# Altium PCB XTIDA-010086.PcbDoc (part 12 of 17) (continued)
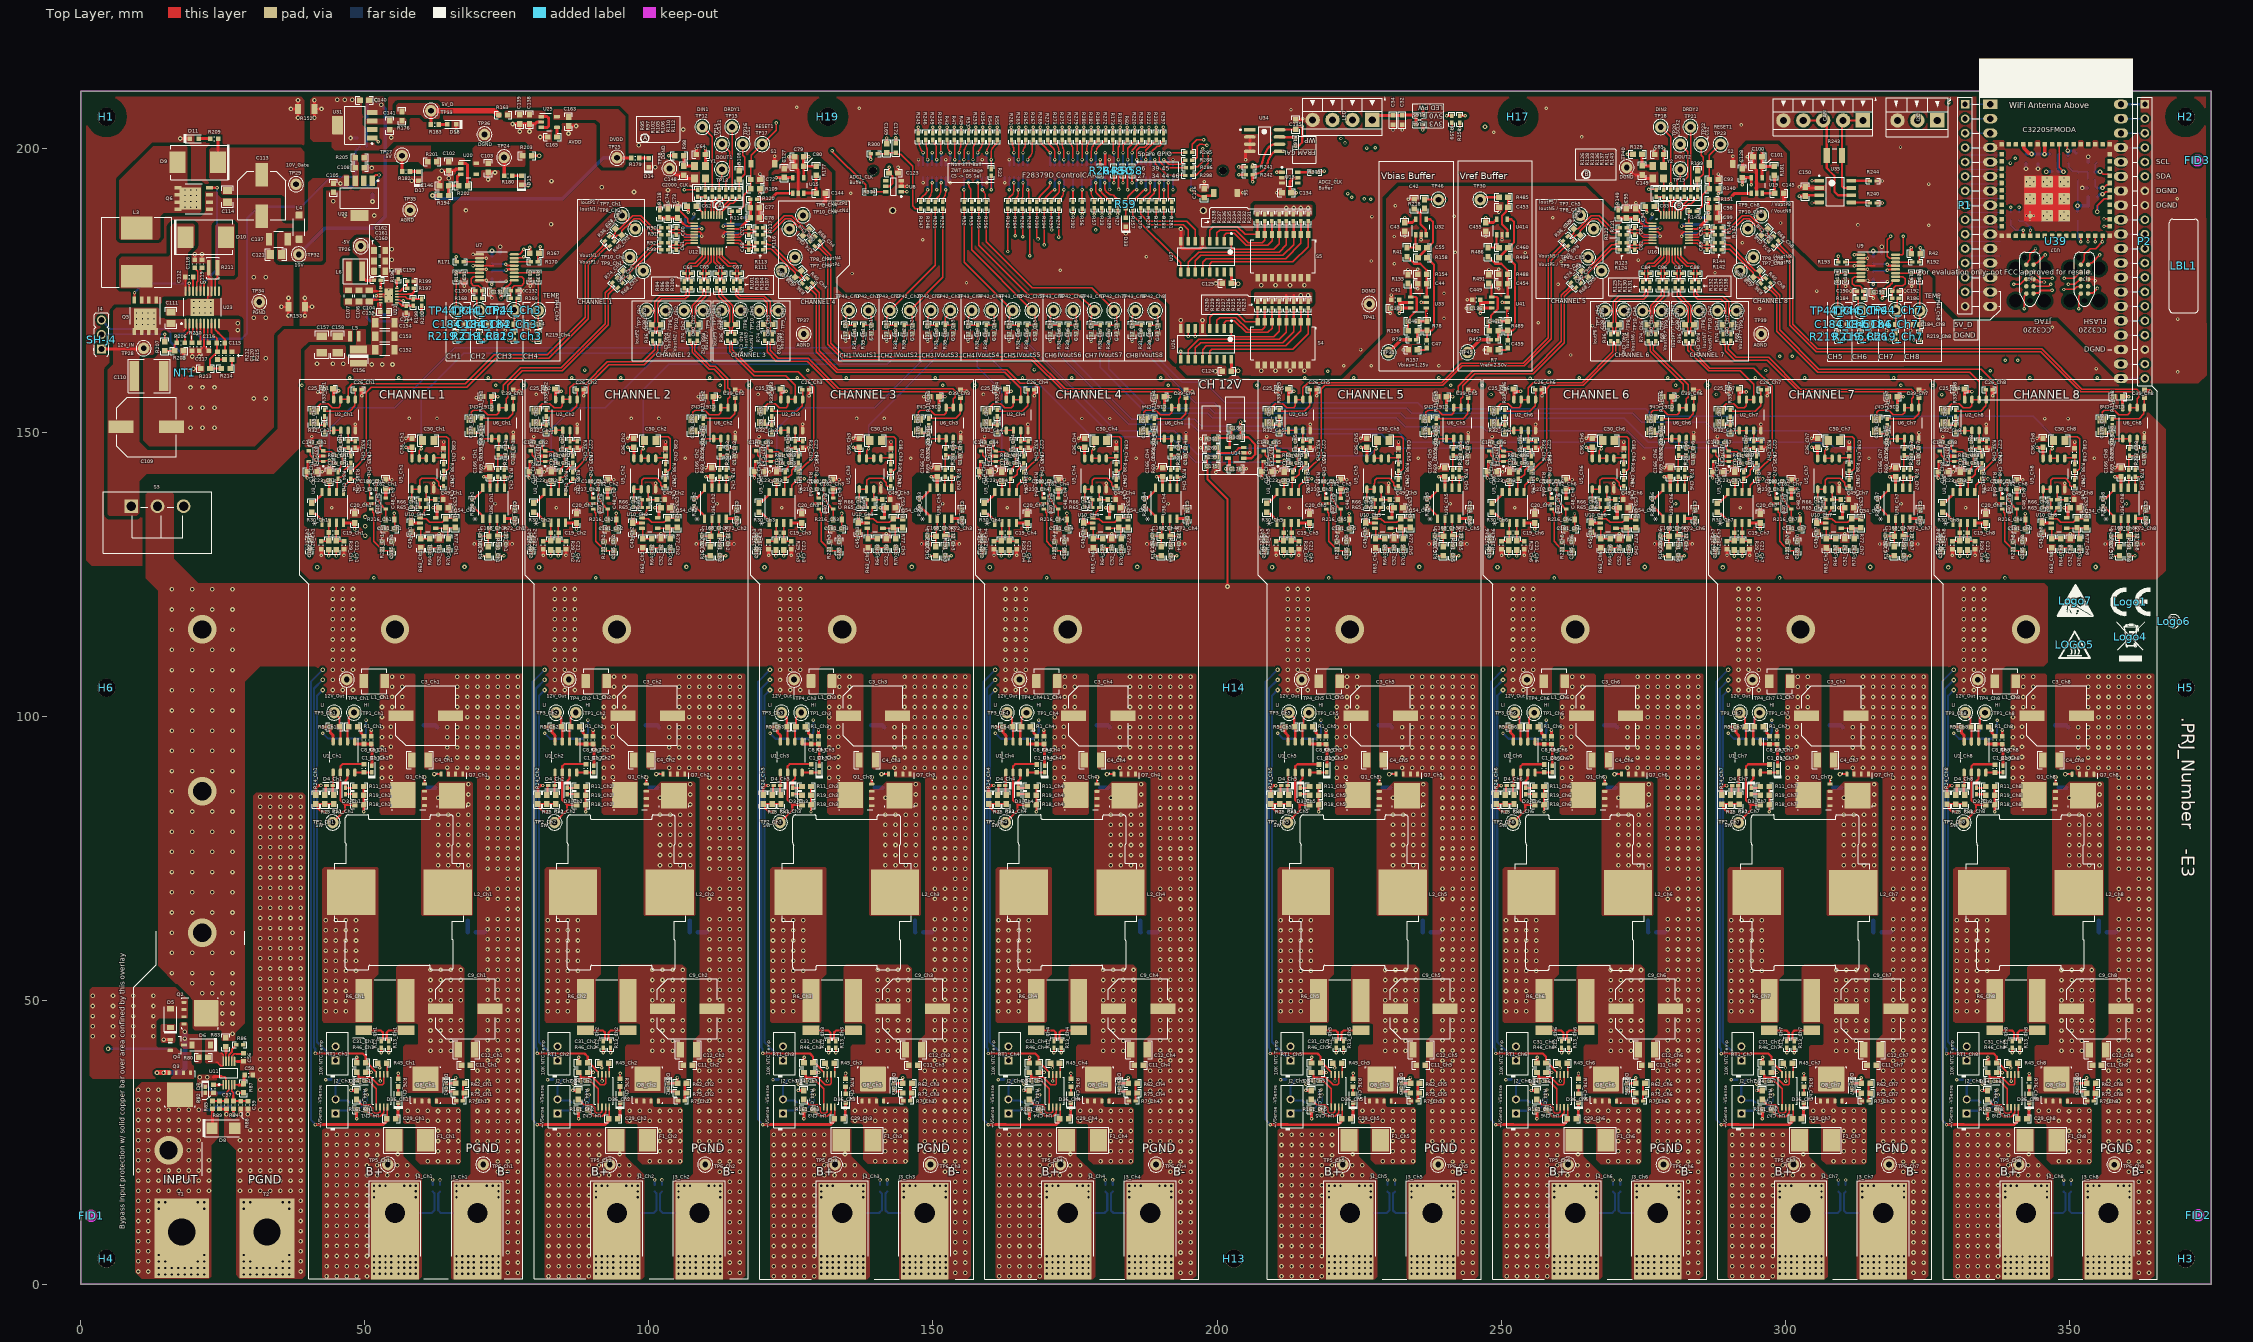
[diagram p0: Top Layer view]
## Nets (pads, with @x,y where several pads share a name; then routed paths per layer and width w, separated by ;. In a path a pad name is that pad's centre, name@x,y a point inside that pad or via, vN(x,y) a via of type N, cw(c..) or ccw(c..) an arc to the next point about the centre after c; other vN are vias at no path point) (continued)
  other v3: 219.702,1.846 220.718,1.846 221.734,1.846 222.75,1.846 224.02,1.846 225.036,1.846 226.052,1.846 227.068,1.846 219.702,2.862 220.718,2.862 221.734,2.862 222.75,2.862 224.02,2.862 225.036,2.862 226.052,2.862 227.068,2.862 219.702,3.878 220.718,3.878 221.734,3.878 222.75,3.878 224.02,3.878 225.036,3.878 226.052,3.878 227.068,3.878 219.702,4.894 220.718,4.894 221.734,4.894 222.75,4.894 224.02,4.894 225.036,4.894 226.052,4.894 227.068,4.894 219.702,15.308 227.068,15.308 219.702,16.324 227.068,16.324 219.702,17.34 220.718,17.34 221.734,17.34 225.036,17.34 226.052,17.34 227.068,17.34
NetF1_Ch5_2: F1_Ch5.2 Q8_Ch5.1 Q8_Ch5.2 Q8_Ch5.3
  other v1: 229.177,21.633 230.955,21.633 232.733,21.633 234.511,21.633 230.955,23.411 232.733,23.411 234.511,23.411 230.955,25.189 232.733,25.189 234.511,25.189 230.955,26.967 232.733,26.967 234.511,26.967 225.621,28.745 227.399,28.745 229.177,28.745 230.955,28.745 232.733,28.745 234.511,28.745 230.955,30.472 225.621,30.523 227.399,30.523 229.177,30.523 232.733,30.523 234.511,30.523
NetF1_Ch6_1: F1_Ch6.1 J1_Ch6.1 R10_Ch6.2 TP5_Ch6.1 | length 10.6
  Bottom Layer w0.381: v5(263.06,12.512) 269.537,12.512 270.033,13.008 270.033,15.964 R10_Ch6.2@269.715,16.281
  other v1: 251.021,1.387 252.799,1.387 254.577,1.387 256.355,1.387 258.133,1.387 251.021,3.165 252.799,3.165 254.577,3.165 256.355,3.165 258.133,3.165 251.021,4.943 252.799,4.943 254.577,4.943 256.355,4.943 258.133,4.943 251.021,6.721 252.799,6.721 254.577,6.721 256.355,6.721 258.133,6.721 251.021,8.499 252.799,8.499 254.577,8.499 256.355,8.499 258.133,8.499 251.021,10.277 252.799,10.277 254.577,10.277 256.355,10.277 258.133,10.277 251.021,12.055 252.799,12.055 254.577,12.055 256.355,12.055 258.133,12.055 251.021,13.833 252.799,13.833 254.577,13.833 256.355,13.833 258.133,13.833 251.021,15.611 252.799,15.611 254.577,15.611 256.355,15.611 258.133,15.611 251.021,17.389 252.799,17.389 254.577,17.389 256.355,17.389 258.133,17.389 251.021,19.167 252.799,19.167 254.577,19.167 256.355,19.167 258.133,19.167 259.911,19.167 261.689,19.167 263.467,19.167 265.245,19.167 267.023,19.167 251.021,20.945 252.799,20.945 254.577,20.945 256.355,20.945 258.133,20.945 259.911,20.945 263.467,20.945 265.245,20.945 251.021,22.723 252.799,22.723 254.577,22.723 256.355,22.723 258.133,22.723 259.911,22.723 263.543,22.901 251.021,24.501 252.799,24.501 254.577,24.501 256.355,24.501 258.133,24.501 259.911,24.501 251.021,26.279 252.799,26.279 254.577,26.279 256.355,26.279 258.133,26.279 259.911,26.279
  other v3: 259.377,1.844 260.393,1.844 261.409,1.844 262.425,1.844 263.695,1.844 264.711,1.844 265.727,1.844 266.743,1.844 259.377,2.86 260.393,2.86 261.409,2.86 262.425,2.86 263.695,2.86 264.711,2.86 265.727,2.86 266.743,2.86 259.377,3.876 260.393,3.876 261.409,3.876 262.425,3.876 263.695,3.876 264.711,3.876 265.727,3.876 266.743,3.876 259.377,4.892 260.393,4.892 261.409,4.892 262.425,4.892 263.695,4.892 264.711,4.892 265.727,4.892 266.743,4.892 259.377,15.306 266.743,15.306 259.377,16.322 266.743,16.322 259.377,17.338 260.393,17.338 261.409,17.338 264.711,17.338 265.727,17.338 266.743,17.338
NetF1_Ch6_2: F1_Ch6.2 Q8_Ch6.1 Q8_Ch6.2 Q8_Ch6.3
  other v1: 268.851,21.631 270.629,21.631 272.407,21.631 274.185,21.631 270.629,23.409 272.407,23.409 274.185,23.409 270.629,25.187 272.407,25.187 274.185,25.187 270.629,26.965 272.407,26.965 274.185,26.965 265.295,28.743 267.073,28.743 268.851,28.743 270.629,28.743 272.407,28.743 274.185,28.743 270.629,30.47 265.295,30.521 267.073,30.521 268.851,30.521 272.407,30.521 274.185,30.521
NetF1_Ch7_1: F1_Ch7.1 J1_Ch7.1 R10_Ch7.2 TP5_Ch7.1 | length 10.6
  Bottom Layer w0.381: v5(302.735,12.51) 309.212,12.51 309.707,13.006 309.707,15.962 R10_Ch7.2@309.39,16.279
  other v1: 290.695,1.385 292.473,1.385 294.251,1.385 296.029,1.385 297.807,1.385 290.695,3.163 292.473,3.163 294.251,3.163 296.029,3.163 297.807,3.163 290.695,4.941 292.473,4.941 294.251,4.941 296.029,4.941 297.807,4.941 290.695,6.719 292.473,6.719 294.251,6.719 296.029,6.719 297.807,6.719 290.695,8.497 292.473,8.497 294.251,8.497 296.029,8.497 297.807,8.497 290.695,10.275 292.473,10.275 294.251,10.275 296.029,10.275 297.807,10.275 290.695,12.053 292.473,12.053 294.251,12.053 296.029,12.053 297.807,12.053 290.695,13.831 292.473,13.831 294.251,13.831 296.029,13.831 297.807,13.831 290.695,15.609 292.473,15.609 294.251,15.609 296.029,15.609 297.807,15.609 290.695,17.387 292.473,17.387 294.251,17.387 296.029,17.387 297.807,17.387 290.695,19.165 292.473,19.165 294.251,19.165 296.029,19.165 297.807,19.165 299.585,19.165 301.363,19.165 303.141,19.165 304.919,19.165 306.697,19.165 290.695,20.943 292.473,20.943 294.251,20.943 296.029,20.943 297.807,20.943 299.585,20.943 303.141,20.943 304.919,20.943 290.695,22.721 292.473,22.721 294.251,22.721 296.029,22.721 297.807,22.721 299.585,22.721 303.218,22.899 290.695,24.499 292.473,24.499 294.251,24.499 296.029,24.499 297.807,24.499 299.585,24.499 290.695,26.277 292.473,26.277 294.251,26.277 296.029,26.277 297.807,26.277 299.585,26.277
  other v3: 299.052,1.842 300.068,1.842 301.084,1.842 302.1,1.842 303.37,1.842 304.386,1.842 305.402,1.842 306.418,1.842 299.052,2.858 300.068,2.858 301.084,2.858 302.1,2.858 303.37,2.858 304.386,2.858 305.402,2.858 306.418,2.858 299.052,3.874 300.068,3.874 301.084,3.874 302.1,3.874 303.37,3.874 304.386,3.874 305.402,3.874 306.418,3.874 299.052,4.89 300.068,4.89 301.084,4.89 302.1,4.89 303.37,4.89 304.386,4.89 305.402,4.89 306.418,4.89 299.052,15.304 306.418,15.304 299.052,16.32 306.418,16.32 299.052,17.336 300.068,17.336 301.084,17.336 304.386,17.336 305.402,17.336 306.418,17.336
NetF1_Ch7_2: F1_Ch7.2 Q8_Ch7.1 Q8_Ch7.2 Q8_Ch7.3
  other v1: 308.526,21.629 310.304,21.629 312.082,21.629 313.86,21.629 310.304,23.407 312.082,23.407 313.86,23.407 310.304,25.185 312.082,25.185 313.86,25.185 310.304,26.963 312.082,26.963 313.86,26.963 304.97,28.741 306.748,28.741 308.526,28.741 310.304,28.741 312.082,28.741 313.86,28.741 310.304,30.468 304.97,30.519 306.748,30.519 308.526,30.519 312.082,30.519 313.86,30.519
NetF1_Ch8_1: F1_Ch8.1 J1_Ch8.1 R10_Ch8.2 TP5_Ch8.1 | length 10.6
  Bottom Layer w0.381: v5(342.41,12.508) 348.887,12.508 349.382,13.004 349.382,15.96 R10_Ch8.2@349.065,16.277
  other v1: 330.37,1.383 332.148,1.383 333.926,1.383 335.704,1.383 337.482,1.383 330.37,3.161 332.148,3.161 333.926,3.161 335.704,3.161 337.482,3.161 330.37,4.939 332.148,4.939 333.926,4.939 335.704,4.939 337.482,4.939 330.37,6.717 332.148,6.717 333.926,6.717 335.704,6.717 337.482,6.717 330.37,8.495 332.148,8.495 333.926,8.495 335.704,8.495 337.482,8.495 330.37,10.273 332.148,10.273 333.926,10.273 335.704,10.273 337.482,10.273 330.37,12.051 332.148,12.051 333.926,12.051 335.704,12.051 337.482,12.051 330.37,13.829 332.148,13.829 333.926,13.829 335.704,13.829 337.482,13.829 330.37,15.607 332.148,15.607 333.926,15.607 335.704,15.607 337.482,15.607 330.37,17.385 332.148,17.385 333.926,17.385 335.704,17.385 337.482,17.385 330.37,19.163 332.148,19.163 333.926,19.163 335.704,19.163 337.482,19.163 339.26,19.163 341.038,19.163 342.816,19.163 344.594,19.163 346.372,19.163 330.37,20.941 332.148,20.941 333.926,20.941 335.704,20.941 337.482,20.941 339.26,20.941 342.816,20.941 344.594,20.941 330.37,22.719 332.148,22.719 333.926,22.719 335.704,22.719 337.482,22.719 339.26,22.719 342.892,22.897 330.37,24.497 332.148,24.497 333.926,24.497 335.704,24.497 337.482,24.497 339.26,24.497 330.37,26.275 332.148,26.275 333.926,26.275 335.704,26.275 337.482,26.275 339.26,26.275
  other v3: 338.727,1.84 339.743,1.84 340.759,1.84 341.775,1.84 343.045,1.84 344.061,1.84 345.077,1.84 346.093,1.84 338.727,2.856 339.743,2.856 340.759,2.856 341.775,2.856 343.045,2.856 344.061,2.856 345.077,2.856 346.093,2.856 338.727,3.872 339.743,3.872 340.759,3.872 341.775,3.872 343.045,3.872 344.061,3.872 345.077,3.872 346.093,3.872 338.727,4.888 339.743,4.888 340.759,4.888 341.775,4.888 343.045,4.888 344.061,4.888 345.077,4.888 346.093,4.888 338.727,15.302 346.093,15.302 338.727,16.318 346.093,16.318 338.727,17.334 339.743,17.334 340.759,17.334 344.061,17.334 345.077,17.334 346.093,17.334
NetF1_Ch8_2: F1_Ch8.2 Q8_Ch8.1 Q8_Ch8.2 Q8_Ch8.3
  other v1: 348.201,21.627 349.979,21.627 351.757,21.627 353.535,21.627 349.979,23.405 351.757,23.405 353.535,23.405 349.979,25.183 351.757,25.183 353.535,25.183 349.979,26.961 351.757,26.961 353.535,26.961 344.645,28.739 346.423,28.739 348.201,28.739 349.979,28.739 351.757,28.739 353.535,28.739 349.979,30.466 344.645,30.517 346.423,30.517 348.201,30.517 351.757,30.517 353.535,30.517
NetJ4_2: J4.2 R207.2 | length 12.5
  Top Layer w0.305: v2(14.757,167.225) 14.77,167.212 R207.2@14.77,165.892
  Bottom Layer w0.305: J4.2@3.632,167.183 3.675,167.225 v2(14.757,167.225)
NetJ5_11: J5.11 R281.1 | length 4.6
  Top Layer w0.254: v2(191.45,193.891) 191.45,191.233 192.024,190.659 R281.1@192.024,190.559
  Bottom Layer w0.381: v2(191.45,193.891) J5.11@191.45,194.925
NetJ5_12: J5.12 R285.1 | length 5.3
  Top Layer w0.254: v2(191.45,199.191) 194.361,199.191 R285.1@194.433,199.263
  Bottom Layer w0.381: J5.12@191.45,196.925 v2(191.45,199.191)
NetJ5_13: J5.13 R283.2 | length 4.4
  Top Layer w0.254: v2(190.65,192.659) 190.65,190.567 R283.2@190.658,190.559
  Bottom Layer w0.381: v2(190.65,192.659) J5.13@190.65,194.925
NetJ5_14: J5.14 R288.2 | length 5.4
  Top Layer w0.254: v2(190.65,197.959) 190.712,197.959 191.495,197.176 193.637,197.176 194.16,197.7 194.26,197.7 R288.2@194.433,197.873
  Bottom Layer w0.381: J5.14@190.65,196.925 v2(190.65,197.959)
NetJ5_15: J5.15 R276.2 | length 4.6
  Top Layer w0.254: R276.2@189.293,190.559 189.293,190.659 189.85,191.216 v2(189.85,193.891)
  Bottom Layer w0.381: v2(189.85,193.891) J5.15@189.85,194.925
NetJ5_16: J5.16 R286.2 | length 8.9
  Top Layer w0.254: v2(189.85,199.191) 189.85,197.638 190.952,196.535 R286.2@194.459,196.535
  Bottom Layer w0.381: J5.16@189.85,196.925 v2(189.85,199.191)
NetJ5_17: J5.17 R278.2 | length 4.8
  Top Layer w0.254: R278.2@187.927,190.559 188.1,190.732 188.1,191.163 188.982,192.045 188.982,192.591 v2(189.05,192.659)
  Bottom Layer w0.381: v2(189.05,192.659) J5.17@189.05,194.925
NetJ5_18: J5.18 R298.2 | length 7.9
  Top Layer w0.254: v2(189.05,197.959) 189.118,197.891 189.118,197.272 191.228,195.162 R298.2@194.433,195.162
  Bottom Layer w0.381: J5.18@189.05,196.925 v2(189.05,197.959)
NetJ5_19: J5.19 R270.2 | length 5.1
  Top Layer w0.254: R270.2@186.562,190.559 186.562,190.659 186.943,191.04 186.955,191.04 188.25,192.335 v2(188.25,193.891)
  Bottom Layer w0.381: v2(188.25,193.891) J5.19@188.25,194.925
NetJ5_20: J5.20 R297.2 | length 5.7
  Top Layer w0.254: v2(188.25,199.191) 188.312,199.191 188.883,199.762 188.971,199.762 189.479,200.271 189.85,200.271 190.112,200.533 190.112,200.845 190.573,201.306 R297.2@190.573,201.406
  Bottom Layer w0.381: J5.20@188.25,196.925 v2(188.25,199.191)
NetJ5_21: J5.21 R257.2 | length 5.4
  Top Layer w0.254: R257.2@185.196,190.559 185.196,190.659 187.128,192.591 187.382,192.591 v2(187.45,192.659)
  Bottom Layer w0.381: v2(187.45,192.659) J5.21@187.45,194.925
NetJ5_22: J5.22 R239.2 | length 5.3
  Top Layer w0.254: v2(187.45,197.959) 187.45,199.573 188.612,200.735 188.728,200.735 189.299,201.306 R239.2@189.299,201.406
  Bottom Layer w0.381: J5.22@187.45,196.925 v2(187.45,197.959)
NetJ5_25: J5.25 R59.1 | length 5.1
  Top Layer w0.254: R59.1@183.947,190.794 183.972,190.794 184.245,191.067 184.245,191.407 185.429,192.591 185.782,192.591 v2(185.85,192.659)
  Bottom Layer w0.381: v2(185.85,192.659) J5.25@185.85,194.925
NetJ5_26: J5.26 R222.1 | length 5.9
  Top Layer w0.254: v2(185.85,197.959) 185.85,199.562 186.436,200.148 187.271,200.148 187.916,200.793 187.916,201.297 R222.1@188.025,201.406
  Bottom Layer w0.381: J5.26@185.85,196.925 v2(185.85,197.959)
NetJ5_28: J5.28 R296.1 | length 5.2
  Top Layer w0.254: v2(185.05,199.191) 185.094,199.235 185.094,199.649 186.179,200.735 186.751,201.306 R296.1@186.751,201.406
  Bottom Layer w0.381: J5.28@185.05,196.925 v2(185.05,199.191)
NetJ5_30: J5.30 R220.1 | length 5
  Top Layer w0.254: v2(184.25,197.959) 184.25,199.922 184.906,200.577 184.906,200.735 185.477,201.306 R220.1@185.477,201.406
  Bottom Layer w0.381: J5.30@184.25,196.925 v2(184.25,197.959)
NetJ5_32: J5.32 R60.1 | length 4.8
  Top Layer w0.254: v2(183.45,199.191) 183.494,199.235 183.494,200.597 184.203,201.306 R60.1@184.203,201.406
  Bottom Layer w0.381: J5.32@183.45,196.925 v2(183.45,199.191)
NetJ5_34: J5.34 R187.1 | length 4.6
  Top Layer w0.254: v2(182.65,197.959) 182.65,200.177 182.82,200.346 182.82,201.297 R187.1@182.929,201.406
  Bottom Layer w0.381: J5.34@182.65,196.925 v2(182.65,197.959)
NetJ5_36: J5.36 R173.1 | length 4.6
  Top Layer w0.254: R173.1@181.655,201.406 181.765,201.297 181.765,199.338 181.85,199.253 v2(181.85,199.191)
  Bottom Layer w0.381: J5.36@181.85,196.925 v2(181.85,199.191)
NetJ5_39: J5.39 R27.2 | length 5.5
  Top Layer w0.254: v2(180.25,193.891) 180.25,193.008 180.25,193.005 ccw(c181.202,193.008) 180.529,192.334 180.851,192.013 ccw(c181.524,192.686) 181.524,191.734 181.6,191.734 181.78,191.715 182.041,191.455 182.32,191.176 R27.2@182.32,190.522
  Bottom Layer w0.381: v2(180.25,193.891) J5.39@180.25,194.925
NetJ5_41: J5.41 R289.2 | length 4.9
  Top Layer w0.254: v2(179.45,192.659) ccw(c183.703,194.879) 180.313,191.484 180.671,191.126 cw(c179.999,190.451) 180.84,190.898 181.009,190.582 ccw(c181.849,191.031) R289.2@181.044,190.522
  Bottom Layer w0.381: v2(179.45,192.659) J5.41@179.45,194.925
NetJ5_43: J5.43 R23.2 | length 4.8
  Top Layer w0.254: v2(178.65,193.891) 178.65,192.615 ccw(c179.602,192.615) 178.931,191.939 179.487,191.383 cw(c178.815,190.708) 179.768,190.708 R23.2@179.768,190.522
  Bottom Layer w0.381: v2(178.65,193.891) J5.43@178.65,194.925
NetJ5_44: J5.44 R272.1 | length 5
  Top Layer w0.254: v2(178.65,199.191) ccw(c177.762,199.537) 178.706,199.404 cw(c179.904,199.235) 179.048,200.091 179.996,201.038 ccw(c179.322,201.712) R272.1@180.2,201.343
  Bottom Layer w0.381: J5.44@178.65,196.925 v2(178.65,199.191)
NetJ5_45: J5.45 R57.2 | length 4.6
  Top Layer w0.254: v2(177.85,192.659) 177.85,192.185 ccw(c179.186,192.185) 177.952,191.674 ccw(c179.489,192.31) 178.163,191.305 cw(c177.405,190.729) 178.357,190.729 R57.2@178.357,190.464
  Bottom Layer w0.381: v2(177.85,192.659) J5.45@177.85,194.925
NetJ5_46: J5.46 R284.2 | length 4.8
  Top Layer w0.254: v2(177.85,197.959) 177.85,199.219 cw(c180.103,199.219) 178.51,200.813 178.735,201.038 ccw(c178.062,201.712) R284.2@178.94,201.343
  Bottom Layer w0.381: J5.46@177.85,196.925 v2(177.85,197.959)
NetJ5_48: J5.48 R282.1 | length 4.6
  Top Layer w0.254: v2(177.068,199.191) ccw(c176.159,199.476) 177.111,199.479 177.111,200.02 cw(c178.679,200.025) 177.571,201.133 cw(c178.463,200.8) 177.666,201.321 177.679,201.342 R282.1@177.68,201.343
  Bottom Layer w0.381: J5.48@177.05,196.925 177.059,196.934 177.059,199.182 v2(177.068,199.191)
NetJ5_49: J5.49 R56.1 | length 4.4
  Top Layer w0.381: R56.1@176.25,190.522 v2(176.25,192.659)
  Bottom Layer w0.381: v2(176.25,192.659) J5.49@176.25,194.925
NetJ5_50: J5.50 R280.1 | length 4.5
  Top Layer w0.254: v2(176.25,197.959) 176.25,198.021 176.31,198.081 176.31,201.233 R280.1@176.42,201.343
  Bottom Layer w0.381: J5.50@176.25,196.925 v2(176.25,197.959)
NetJ5_52: J5.52 R279.2 | length 4.5
  Top Layer w0.254: R279.2@175.16,201.343 175.162,201.341 175.183,201.319 cw(c174.487,200.669) 175.439,200.666 175.439,199.332 ccw(c176.392,199.333) v2(175.45,199.191)
  Bottom Layer w0.381: J5.52@175.45,196.925 v2(175.45,199.191)
NetJ5_53: J5.53 R292.1 | length 4.4
  Top Layer w0.381: R292.1@174.65,190.522 v2(174.65,192.659)
  Bottom Layer w0.381: v2(174.65,192.659) J5.53@174.65,194.925
NetJ5_54: J5.54 R277.2 | length 4.6
  Top Layer w0.254: R277.2@173.9,201.343 173.9,201.341 ccw(c176.535,202.334) 174.361,200.545 cw(c173.528,199.86) 174.606,199.86 174.606,198.244 ccw(c175.559,198.244) v2(174.65,197.959)
  Bottom Layer w0.381: J5.54@174.65,196.925 v2(174.65,197.959)
NetJ5_57: J5.57 R274.2 | length 4.6
  Top Layer w0.254: R274.2@172.111,190.622 172.228,190.739 ccw(c170.355,192.615) 172.999,192.415 cw(c173.948,192.343) 173.048,192.653 v2@173.05,192.659
  Bottom Layer w0.381: v2(173.05,192.659) J5.57@173.05,194.925
NetJ5_58: J5.58 R275.2 | length 4.5
  Top Layer w0.254: R275.2@172.64,201.343 172.641,201.341 172.656,201.312 cw(c171.815,200.867) 172.767,200.867 172.767,200.505 ccw(c173.72,200.505) 172.865,200.084 172.907,199.998 cw(c172.054,199.576) 173.006,199.574 173.006,198.244 ccw(c173.959,198.244) v2(173.05,197.959)
  Bottom Layer w0.381: J5.58@173.05,196.925 v2(173.05,197.959)
NetJ5_59: J5.59 R295.1 | length 4.9
  Top Layer w0.254: R295.1@170.835,190.522 ccw(c169.993,190.967) 170.853,190.559 171.03,190.931 cw(c171.891,190.523) 171.217,191.197 171.959,191.939 ccw(c171.286,192.613) 172.239,192.613 172.239,193.745 cw(c173.191,193.745) 172.244,193.846 172.249,193.89 v2(172.25,193.891)
  Bottom Layer w0.381: v2(172.25,193.891) J5.59@172.25,194.925
NetJ5_60: J5.60 R273.2 | length 4.6
  Top Layer w0.254: R273.2@171.379,201.343 ccw(c173.697,202.218) 171.803,200.622 cw(c170.768,199.75) 172.118,199.842 ccw(c174.621,200.012) v2(172.25,199.191)
  Bottom Layer w0.381: J5.60@172.25,196.925 v2(172.25,199.191)
NetJ5_61: J5.61 R294.1 | length 5.2
  Top Layer w0.254: R294.1@169.559,190.522 cw(c171.465,190.191) 170.097,191.559 170.93,192.392 cw(c171.603,191.719) v2@171.449,192.659
  Bottom Layer w0.381: v2(171.45,192.659) J5.61@171.45,194.925
NetJ5_62: J5.62 R271.2 | length 4.9
  Top Layer w0.254: R271.2@170.119,201.343 170.12,201.341 170.122,201.337 ccw(c172.848,202.502) 170.755,200.402 171.127,200.031 cw(c170.454,199.357) 171.406,199.357 171.406,198.244 ccw(c172.359,198.244) v2(171.45,197.959)
  Bottom Layer w0.381: J5.62@171.45,196.925 v2(171.45,197.959)
NetJ5_63: J5.63 R293.1 | length 5.2
  Top Layer w0.254: R293.1@168.282,190.522 cw(c172.336,188.819) 169.227,191.928 170.286,192.987 ccw(c169.524,193.749) 170.598,193.653 170.598,193.655 cw(c171.546,193.569) 170.638,193.855 170.649,193.89 v2(170.65,193.891)
  Bottom Layer w0.381: v2(170.65,193.891) J5.63@170.65,194.925
NetJ5_64: J5.64 R269.2 | length 5.1
  Top Layer w0.254: R269.2@168.859,201.343 168.861,201.341 168.876,201.31 cw(c168.016,200.899) 168.946,201.106 ccw(c169.876,201.312) 169.202,200.639 v2@170.649,199.192
  Bottom Layer w0.381: J5.64@170.65,196.925 v2(170.65,199.191)
NetJ5_65: J5.65 R268.2 | length 4.5
  Top Layer w0.254: v2(166.65,192.659) ccw(c167.53,193.023) 166.701,192.554 166.772,192.428 cw(c165.944,191.957) 166.897,191.955 166.897,190.965 ccw(c167.849,190.965) R268.2@167.006,190.522
  Bottom Layer w0.381: v2(166.65,192.659) J5.65@166.65,194.925
NetJ5_66: J5.66 R267.2 | length 4.7
  Top Layer w0.254: v2(166.65,197.959) cw(c167.494,197.518) 166.821,198.192 166.879,198.25 ccw(c165.41,199.722) 167.49,199.722 167.49,200.899 cw(c168.442,200.899) 167.584,201.313 167.598,201.342 R267.2@167.599,201.343
  Bottom Layer w0.381: J5.66@166.65,196.925 v2(166.65,197.959)
NetJ5_67: J5.67 R266.2 | length 4.4
  Top Layer w0.254: R266.2@165.73,190.522 v2(165.85,193.891)
  Bottom Layer w0.381: v2(165.85,193.891) J5.67@165.85,194.925
NetJ5_68: J5.68 R265.2 | length 4.5
  Top Layer w0.254: v2(165.85,199.191) 165.85,199.35 cw(c166.802,199.35) 165.991,199.849 166.108,200.039 ccw(c165.297,200.539) 166.249,200.539 166.249,200.84 cw(c167.202,200.84) 166.273,201.049 R265.2@166.339,201.343
  Bottom Layer w0.381: J5.68@165.85,196.925 v2(165.85,199.191)
NetJ5_69: J5.69 R264.2 | length 4.5
  Top Layer w0.254: R264.2@164.454,190.522 ccw(c163.611,190.965) 164.536,190.739 164.591,190.962 cw(c165.516,190.735) 164.738,191.284 164.831,191.416 ccw(c164.054,191.966) 165.006,191.966 165.006,192.374 cw(c165.959,192.374) 165.039,192.62 165.049,192.658 v2(165.05,192.659)
  Bottom Layer w0.381: v2(165.05,192.659) J5.69@165.05,194.925
NetJ5_70: J5.70 R263.2 | length 4.4
  Top Layer w0.254: v2(165.05,197.959) 165.064,197.974 165.064,201.328 R263.2@165.079,201.343
  Bottom Layer w0.381: J5.70@165.05,196.925 v2(165.05,197.959)
NetJ5_71: J5.71 R262.2 | length 4.8
  Top Layer w0.254: R262.2@163.178,190.522 163.178,190.622 cw(c164.13,190.622) 163.458,191.296 163.927,191.766 ccw(c163.254,192.439) 164.206,192.439 164.206,193.606 cw(c165.159,193.606) 164.239,193.852 164.249,193.89 v2(164.25,193.891)
  Bottom Layer w0.381: v2(164.25,193.891) J5.71@164.25,194.925
NetJ5_72: J5.72 R261.2 | length 4.5
  Top Layer w0.254: R261.2@163.819,201.339 163.82,201.337 163.835,201.306 cw(c162.976,200.895) 163.928,200.895 163.928,200.857 ccw(c164.881,200.857) 164.018,200.453 164.159,200.152 cw(c163.297,199.746) 164.25,199.746 v2(164.25,199.191)
  Bottom Layer w0.381: J5.72@164.25,196.925 v2(164.25,199.191)
NetJ5_81: J5.81 R22.2 | length 4.7
  Top Layer w0.254: v2(160.25,192.659) R22.2@160.25,195.107
  Bottom Layer w0.381: v2(160.25,192.659) J5.81@160.25,194.925
NetJ5_82: J5.82 R22.1 R55.2 | length 6.4
  Top Layer w0.254: R22.1@160.25,196.307 v2(160.25,197.959) ccw(c159.341,198.244) 160.294,198.247 160.294,199.406 cw(c161.246,199.406) 160.377,199.796 cw(c162.43,198.881) 160.837,200.467 161.019,200.649 ccw(c160.346,201.323) 161.299,201.323 R55.2@161.299,201.381
  Bottom Layer w0.381: J5.82@160.25,196.925 v2(160.25,197.959)
NetJ5_84: J5.84 R54.2 | length 4.6
  Top Layer w0.254: v2(159.45,199.191) 159.45,199.251 cw(c161.139,199.251) 159.479,199.56 cw(c160.415,199.384) 159.625,199.916 ccw(c158.144,200.913) 159.929,200.913 159.929,200.937 cw(c160.881,200.937) 160.024,201.351 160.037,201.38 R54.2@160.038,201.381
  Bottom Layer w0.381: J5.84@159.45,196.925 v2(159.45,199.191)
NetJ5_85: J5.85 R256.2 | length 4.6
  Top Layer w0.254: v2(158.65,192.659) ccw(c159.494,193.1) 158.821,192.426 158.941,192.307 cw(c158.217,191.583) 159.24,191.583 159.24,190.965 ccw(c160.192,190.965) R256.2@159.349,190.522
  Bottom Layer w0.381: v2(158.65,192.659) J5.85@158.65,194.925
NetJ5_87: J5.87 R255.2 | length 4.5
  Top Layer w0.254: v2(157.85,193.891) 157.85,193.829 157.964,193.715 157.964,190.631 R255.2@158.073,190.522
  Bottom Layer w0.381: v2(157.85,193.891) J5.87@157.85,194.925
NetJ5_88: J5.88 R254.2 | length 4.7
  Top Layer w0.254: v2(157.85,199.191) cw(c158.734,198.836) 158.034,199.481 ccw(c156.006,201.351) 158.762,201.239 cw(c159.714,201.2) R254.2@158.778,201.381
  Bottom Layer w0.381: J5.88@157.85,196.925 v2(157.85,199.191)
NetJ5_90: J5.90 R253.2 | length 4.5
  Top Layer w0.254: v2(157.05,197.959) ccw(c156.141,198.244) 157.094,198.247 157.094,199.97 cw(c158.046,199.97) 157.18,200.365 157.322,200.677 ccw(c156.456,201.074) 157.399,200.939 157.418,201.073 cw(c158.361,200.937) 157.503,201.351 157.517,201.38 R253.2@157.518,201.381
  Bottom Layer w0.381: J5.90@157.05,196.925 v2(157.05,197.959)
NetJ5_91: J5.91 R53.2 | length 4.5
  Top Layer w0.254: v2(156.25,193.891) 156.25,193.672 ccw(c157.202,193.672) 156.42,193.129 156.516,192.991 ; 156.516,192.991 cw(c155.735,192.446) 156.688,192.444 156.688,190.965 ccw(c157.64,190.965) R53.2@156.797,190.522
  Bottom Layer w0.381: v2(156.25,193.891) J5.91@156.25,194.925
NetJ5_93: J5.93 R52.2 | length 4.4
  Top Layer w0.254: v2(155.45,192.659) 155.485,192.624 155.485,190.557 R52.2@155.521,190.522
  Bottom Layer w0.381: v2(155.45,192.659) J5.93@155.45,194.925
NetJ5_94: J5.94 R51.2 | length 4.6
  Top Layer w0.254: v2(155.45,197.959) ccw(c154.541,198.244) 155.494,198.247 155.494,199.419 cw(c156.446,199.419) 155.646,199.936 155.656,199.95 155.667,199.97 ccw(c154.846,200.453) 155.712,200.055 156.174,201.06 ccw(c155.309,201.459) R51.2@156.258,201.381
  Bottom Layer w0.381: J5.94@155.45,196.925 v2(155.45,197.959)
NetJ5_96: J5.96 R49.2 | length 4.5
  Top Layer w0.254: v2(154.65,199.191) cw(c156.022,199.381) 154.784,200.001 ccw(c153.932,200.428) 154.862,200.222 ccw(c152.063,200.838) 154.929,200.835 154.929,201.026 cw(c155.882,201.026) 154.985,201.346 154.997,201.38 R49.2@154.998,201.381
  Bottom Layer w0.381: J5.96@154.65,196.925 v2(154.65,199.191)
NetJ5_98: J5.98 R47.2 | length 4.5
  Top Layer w0.254: R47.2@153.738,201.381 153.806,201.312 153.806,198.003 v2(153.85,197.959)
  Bottom Layer w0.381: J5.98@153.85,196.925 v2(153.85,197.959)
NetJ5_100: J5.100 R43.2 | length 4.6
  Top Layer w0.254: R43.2@152.478,201.381 152.479,201.379 152.494,201.348 cw(c151.635,200.937) 152.587,200.937 152.587,200.37 ccw(c154.167,200.37) 152.929,199.388 cw(c152.183,198.796) v2(153.05,199.191)
  Bottom Layer w0.381: J5.100@153.05,196.925 v2(153.05,199.191)
NetJ5_101: J5.101 R252.2 | length 4.5
  Top Layer w0.254: R252.2@151.693,190.522 ccw(c150.85,190.965) 151.8,190.907 151.804,190.965 cw(c152.755,190.907) 151.947,191.412 152.061,191.595 ccw(c151.254,192.1) 152.206,192.1 152.206,192.374 cw(c153.159,192.374) 152.239,192.62 152.249,192.658 v2(152.25,192.659)
  Bottom Layer w0.381: v2(152.25,192.659) J5.101@152.25,194.925
NetJ5_103: J5.103 R251.2 | length 4.7
  Top Layer w0.254: R251.2@150.416,190.522 cw(c151.368,190.484) 150.695,191.158 150.749,191.212 ccw(c149.164,192.798) 151.406,192.798 151.406,193.606 cw(c152.359,193.606) 151.439,193.852 151.449,193.89 v2(151.45,193.891)
  Bottom Layer w0.381: v2(151.45,193.891) J5.103@151.45,194.925
NetJ5_104: J5.104 R250.2 | length 4.6
  Top Layer w0.254: R250.2@151.218,201.381 151.327,201.271 151.327,199.376 151.45,199.253 v2(151.45,199.191)
  Bottom Layer w0.381: J5.104@151.45,196.925 v2(151.45,199.191)
NetJ5_106: J5.106 R249.2 | length 4.6
  Top Layer w0.254: R249.2@149.957,201.381 ccw(c152.443,202.296) 150.386,200.627 cw(c149.62,200.006) 150.606,200.006 150.606,198.244 ccw(c151.559,198.244) v2(150.65,197.959)
  Bottom Layer w0.381: J5.106@150.65,196.925 v2(150.65,197.959)
NetJ5_109: J5.109 R247.2 | length 4.8
  Top Layer w0.254: R247.2@147.864,190.522 147.864,190.726 cw(c148.817,190.726) 148.143,191.399 148.728,191.984 ccw(c148.055,192.658) 148.967,192.386 149.049,192.658 v2(149.05,192.659)
  Bottom Layer w0.381: v2(149.05,192.659) J5.109@149.05,194.925
NetJ5_112: J5.112 R245.2 | length 4.6
  Top Layer w0.254: R245.2@147.437,201.381 147.439,201.379 147.454,201.347 cw(c146.594,200.937) 147.547,200.941 ccw(c149.948,200.951) 148.116,199.398 cw(c147.39,198.782) v2(148.25,199.191)
  Bottom Layer w0.381: J5.112@148.25,196.925 v2(148.25,199.191)
NetL2_Ch1_2: L2_Ch1.2 R6_Ch1.2
  other v1: 43.104,48.057 44.882,48.057 46.66,48.057 43.104,49.835 44.882,49.835 46.66,49.835 43.104,51.613 44.882,51.613 46.66,51.613 43.104,53.391 44.882,53.391 46.66,53.391 43.104,55.169 44.882,55.169 46.66,55.169 48.438,55.169 43.104,56.947 44.882,56.947 46.66,56.947 48.438,56.947 43.104,58.725 44.882,58.725 46.66,58.725 48.438,58.725 43.104,60.503 44.882,60.503 46.66,60.503 48.438,60.503 43.104,62.281 44.882,62.281 46.66,62.281 48.438,62.281 43.104,64.059 44.882,64.059 46.66,64.059 48.438,64.059